# Altium PCB Smart_Robotic_Arm_ControllerBoard.PcbDoc
Units mil, origin at the board's own origin, x right, y up, seen from the top; angles counter-clockwise.
Board outline 3937.01 x 2370 mil, 2 copper layers (Top Layer, Bottom Layer); 94 components, 121 nets, 402 pads, 152 vias.
Unrouted connection lines stored in the file: 9.
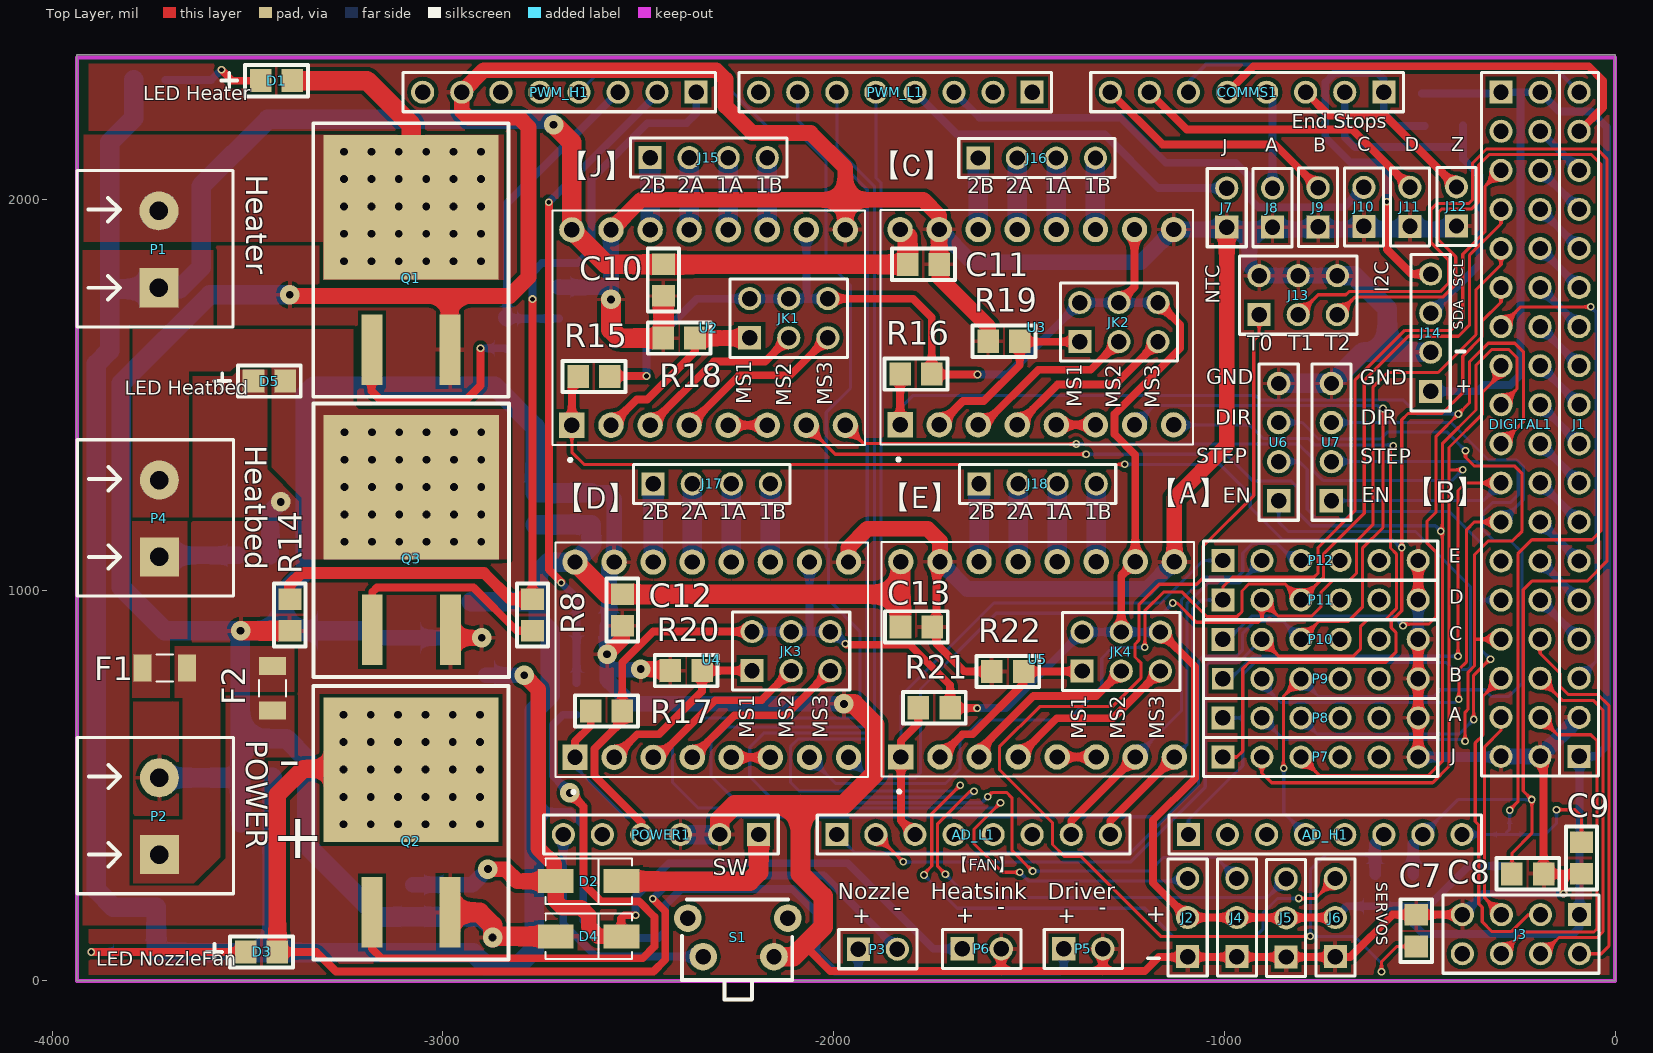
[diagram p0: Top Layer view]
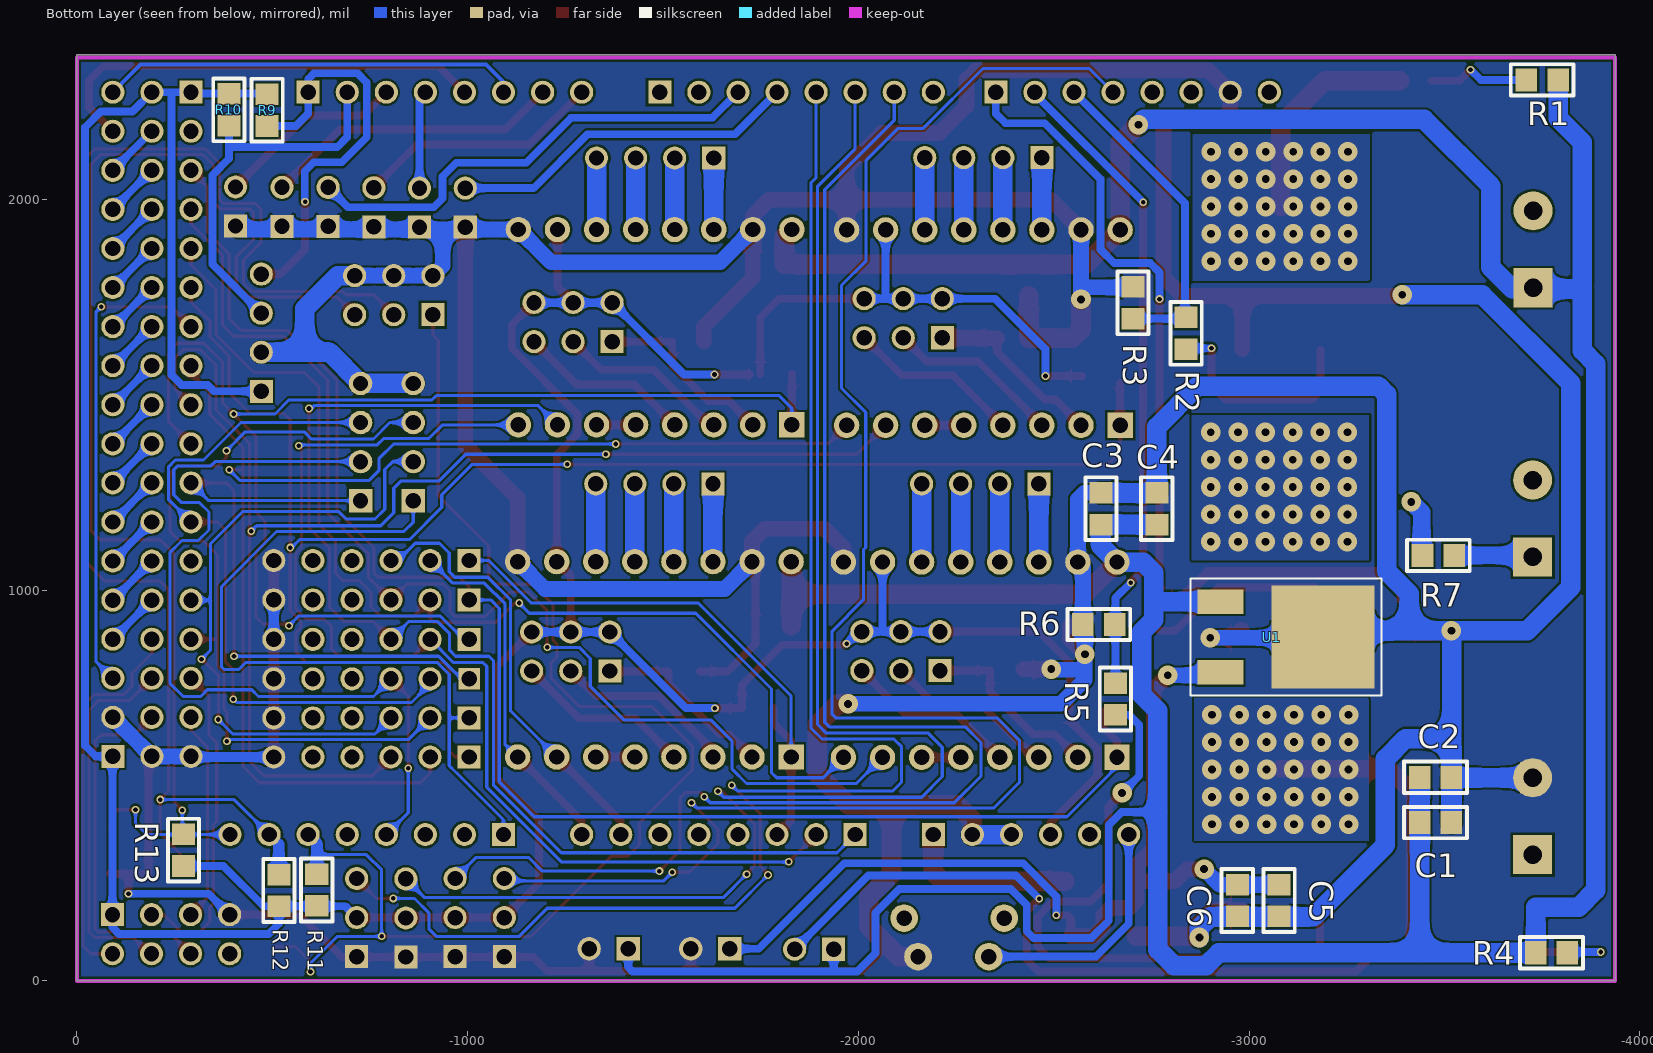
[diagram p1: Bottom Layer view, seen from below]
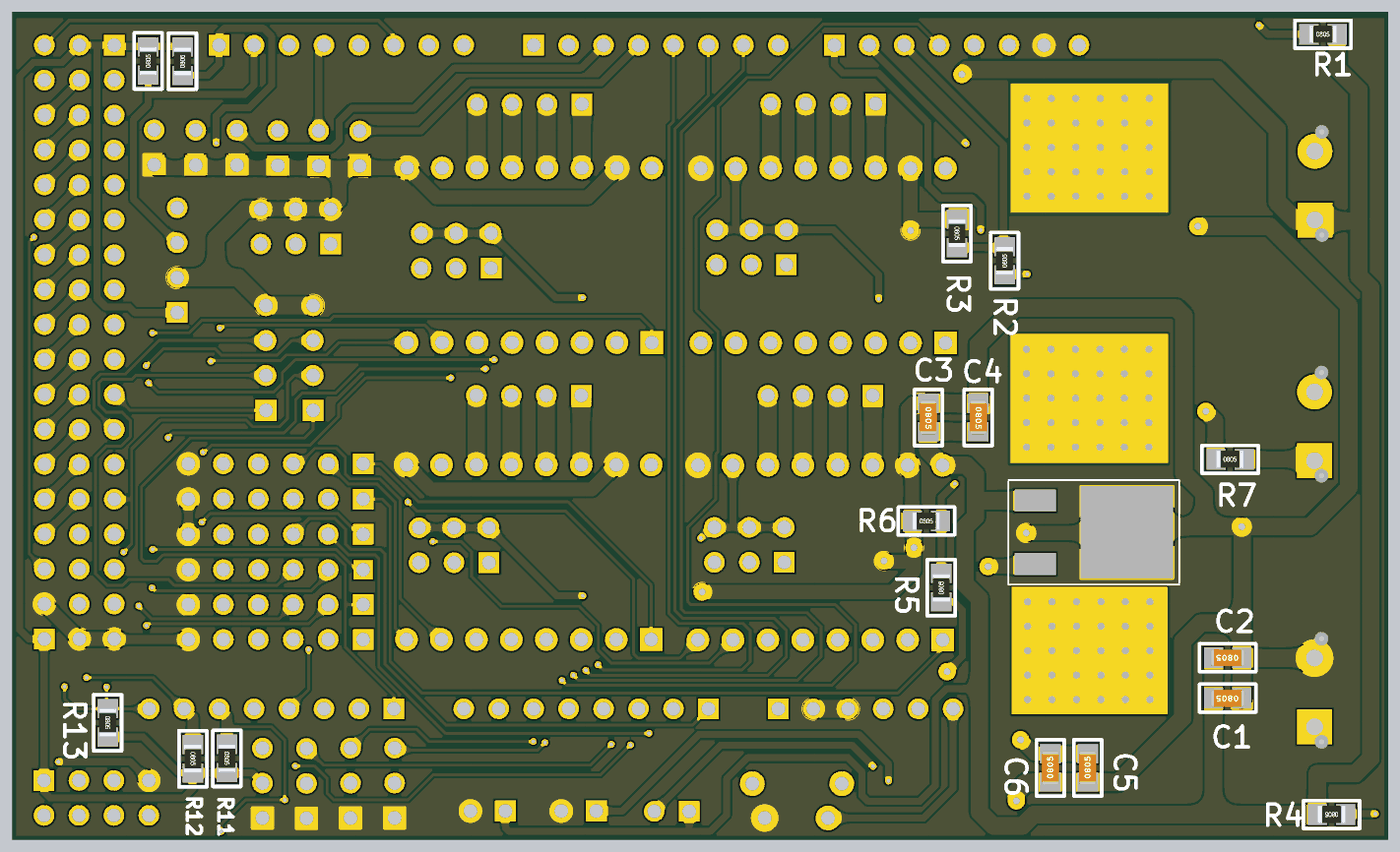
[diagram p2: 3D render of the assembled board from below, using the file's embedded part models]

## Layer stack, top to bottom
Top Solder: solder mask 0.4, Solder Resist, Dk 3.5
Top Layer: signal copper 1.4
Dielectric 1: dielectric 12.6, FR-4, Dk 4.8
Bottom Layer: signal copper 1.4
Bottom Solder: solder mask 0.4, Solder Resist, Dk 3.5

## Board outline
-3937.01,0 -3937.01,2370 0,2370 0,0

## Design rules (kind name [scope] priority, off if disabled: settings)
Clearance Clearance_2 [InNamedPolygon('Top Layer-GND1')] p1: gap=10 ignorepadtopadclearanceinfootprint=FALSE except(0: Arc-Hole Track-Hole SMDPad-Hole THPad-Hole Via-Hole Fill-Hole Poly-Hole Region-Hole Text-Hole)
Clearance Clearance_1 [InNamedPolygon('Top Layer-GND1')] p2: gap=7 ignorepadtopadclearanceinfootprint=FALSE
Clearance [All] p3: gap=6 ignorepadtopadclearanceinfootprint=FALSE
ComponentClearance [All] p1: gap=0 collisioncheckmode=3 verticalgap=0 showdistances=FALSE
HoleSize [All] p1: absolutevalues=TRUE maxlimit=196.85 minlimit=11.81 maxpercent=80.000 minpercent=20.000
MinimumSolderMaskSliver [All] p1: minsoldermaskwidth=0
PlaneClearance [All] p1: clearance=5
PlaneConnect [All] p1: planeconnectstyle=Relief reliefexpansion=20 reliefentries=4 reliefconductorwidth=10 reliefairgap=6
PolygonConnect PolygonConnect_2 [All vs IsNamedPolygon('Top Layer-GND1')] p1: connectstyle=Relief reliefconductorwidth=10 reliefentries=4 polygonreliefangle="90 Angle" airgapwidth=10
PolygonConnect PolygonConnect_1 [All vs IsNamedPolygon('Top Layer-GND1')] p2: thpad.connectstyle=Relief thpad.reliefconductorwidth=10 thpad.reliefentries=4 thpad.polygonreliefangle="90 Angle" thpad.airgapwidth=7 smdpad.connectstyle=Relief smdpad.reliefconductorwidth=10 smdpad.reliefentries=4 smdpad.polygonreliefangle="90 Angle" smdpad.airgapwidth=7 via.connectstyle=Relief via.reliefconductorwidth=10 via.reliefentries=4 via.polygonreliefangle="90 Angle" via.airgapwidth=10
PolygonConnect [All] p3: connectstyle=Direct reliefconductorwidth=10 reliefentries=4 polygonreliefangle="90 Angle" airgapwidth=5
RoutingVias [All] p1: holewidth=31.5 width=15.75 viastyle="Through Hole" minholewidth=23.62 minwidth=11.81 maxholewidth=196.85 maxwidth=118.11
SilkToSilkClearance [All] p1: silktosilkclearance=0
SilkToSolderMaskClearance [IsPad] p1: minsilkscreentomaskgap=0 clearancetoexposedcopper=TRUE
SolderMaskExpansion [All] p1: expansion=4
Width signal [InNetClass('signal')] p1: maxlimit=50 minlimit=6 preferedwidth=10
Width power [InNetClass('power')] p2: maxlimit=50 minlimit=10 preferedwidth=50
23 further rules are at their usual default settings.

## Components (designator, comment, footprint, x,y, rotation, side; value= is the part's Value field where it differs from the comment)
AD_H1 "AD_H" HDR1X8 -1092,374.5 r0 top locked
AD_L1 "AD_L" HDR1X8 -1992,374.5 r0 top locked
C1 "0.1uF" "SMD 0805 - CAP" -3518,405 r0 bottom
C2 "100uF" "SMD 0805 - CAP" -3518,521 r0 bottom
C3 "0.1uF" "SMD 0805 - CAP" -2621,1249 r270 bottom
C4 "10uF" "SMD 0805 - CAP" -2764,1249 r270 bottom
C5 "10uF" "SMD 0805 - CAP" -3077,165 r90 bottom
C6 "0.1uF" "SMD 0805 - CAP" -2970,165 r90 bottom
C7 "10uF" "SMD 0805 - CAP" -509,169 r270 top
C8 "10uF" "SMD 0805 - CAP" -183,274 r180 top
C9 "10uF" "SMD 0805 - CAP" -86,274 r90 top
C10 "35uF" "SMD 0805 - CAP" -2436,1753 r90 top
C11 "35uF" "SMD 0805 - CAP" -1730,1834 r180 top
C12 "35uF" "SMD 0805 - CAP" -2541,909 r90 top
C13 "35uF" "SMD 0805 - CAP" -1748,906 r180 top
COMMS1 "Communication" HDR1X8 -592,2274.5 r180 top locked
D1 "LED" "SMD 0805 - LED" -3467,2304 r0 top
D2 "1N4004" DO-214AC -2627,255 r0 top
D3 "LED" "SMD 0805 - LED" -3505,74 r0 top
D4 "1N4004" DO-214AC -2627,114 r0 top
D5 "LED" "SMD 0805 - LED" -3485,1535 r0 top
DIGITAL1 "IO_36" HDR2X18 -292,2274.5 r270 top locked
F1 "Fuse [35V 30A]" "SMD 1206" -3712,800 r180 top
F2 "Fuse [30V 5A]" "SMD 1206" -3435,749 r270 top
J1 "AUX-4" HDR1X18 -92,574.5 r90 top locked
J2 "SER1" HDR1X3 -1094,62 r90 top
J3 "AUX-3" HDR2X4 -91,169.5 r180 top locked
J4 "SER2" HDR1X3 -968,62 r90 top
J5 "SER3" HDR1X3 -842,61 r90 top
J6 "SER4" HDR1X3 -716,62 r90 top
J7 "J" HDR1X2#1 -994,1929 r90 top
J8 "A" HDR1X2#1 -877,1929 r90 top
J9 "B" HDR1X2#1 -760,1930 r90 top
J10 "C" HDR1X2#1 -643,1931 r90 top
J11 "D" HDR1X2#1 -525,1931 r90 top
J12 "Z" HDR1X2#1 -406,1932 r90 top
J13 "6P" HDR2X3 -911,1705 r0 top
J14 "I2C" HDR1X4#1 -472,1509 r90 top
J15 "J-MOT" HDR1X4#1 -2470,2107 r0 top
J16 "C-MOT" HDR1X4#1 -1630,2106 r0 top
J17 "D-MOT" HDR1X4#1 -2462,1272 r0 top
J18 "E-MOT" HDR1X4#1 -1628,1272 r0 top
JK1 "JP6" HDR2X3 -2215,1646 r0 top
JK2 "JP6" HDR2X3 -1370,1636 r0 top
JK3 "JP6" HDR2X3 -2209,794 r0 top
JK4 "JP6" HDR2X3 -1364,793 r0 top
P1 "Heater" "HDR1X2 - 5mm" -3727,1774 r90 top
P2 "Power" "HDR1X2 - 5mm" -3726,323 r90 top
P3 "Nozzle_Fan" HDR1X2#1 -1937,81 r0 top
P4 "HeatBed" "HDR1X2 - 5mm" -3726,1085 r90 top
P5 "Driver_Fan" HDR1X2#2 -1411,82 r0 top
P6 "NozzleHeatsink_Fan" HDR1X2#2 -1671,82 r0 top
P7 "J_AXIS" HDR1X6#1 -1004,573 r0 top
P8 "A_AXIS" HDR1X6#1 -1004,673 r0 top
P9 "B_AXIS" HDR1X6#2 -1004,773 r0 top
P10 "C_AXIS" HDR1X6#1 -1004,874 r0 top
P11 "D_AXIS" HDR1X6#1 -1004,975 r0 top
P12 "E_AXIS" HDR1X6#1 -1004,1076 r0 top
POWER1 "POWER" HDR1X6#1 -2192,374.5 r180 top locked
PWM_H1 "PWM_H" HDR1X8 -2352,2274.5 r180 top locked
PWM_L1 "PWM_L" HDR1X8 -1492,2274.5 r180 top locked
Q1 "MCB150N06YB" TO-263-2 -3082,1795 r0 top
Q2 "MCB150N06YB" TO-263-2 -3082,355 r0 top
Q3 "MCB150N06YB" TO-263-2 -3081,1078 r0 top
R1 "R1" "SMD 0805 - RES" -3710,2306 r180 bottom value=1.8K
R2 "R1" "SMD 0805 - RES" -2839,1617 r90 bottom value=10
R3 "R1" "SMD 0805 - RES" -2703,1776 r270 bottom value=100K
R4 "R1" "SMD 0805 - RES" -3815,72 r0 bottom value=1.8K
R5 "R1" "SMD 0805 - RES" -2658,681 r90 bottom value=10
R6 "R1" "SMD 0805 - RES" -2575,912 r180 bottom value=100K
R7 "R1" "SMD 0805 - RES" -3444,1089 r180 bottom value=1.8K
R8 "R1" "SMD 0805 - RES" -2771,896 r90 top value=10
R9 "R1" "SMD 0805 - RES" -487,2188 r90 bottom value=4.7K
R10 "R1" "SMD 0805 - RES" -389,2189 r90 bottom value=4.7K
R11 "R1" "SMD 0805 - RES" -614,273 r270 bottom value=4.7K
R12 "R1" "SMD 0805 - RES" -517,272 r270 bottom value=4.7K
R13 "R1" "SMD 0805 - RES" -273,375 r270 bottom value=4.7K
R14 "R1" "SMD 0805 - RES" -3392,896 r90 top value=100K
R15 "R1" "SMD 0805 - RES" -2654,1547 r0 top value=10K
R16 "R1" "SMD 0805 - RES" -1830,1553 r0 top value=10K
R17 "R1" "SMD 0805 - RES" -2622,691 r0 top value=10K
R18 "R1" "SMD 0805 - RES" -2355,1645 r180 top value=100K
R19 "R1" "SMD 0805 - RES" -1524,1637 r180 top value=100K
R20 "R1" "SMD 0805 - RES" -2337,794 r180 top value=100K
R21 "R1" "SMD 0805 - RES" -1783,699 r0 top value=10K
R22 "R1" "SMD 0805 - RES" -1514,792 r180 top value=100K
S1 "SW" SW2 -2334,62 r90 top
U1 "MCB150N06YB" TO-252-3 -3189,880 r270 bottom
U2 "" "Stepper driver Broad" -2320,1672 r90 top
U3 "" "Stepper driver Broad" -1480,1673 r90 top
U4 "" "Stepper driver Broad" -2312,822 r90 top
U5 "" "Stepper driver Broad" -1478,823 r90 top
U6 "A-DRIVER" HDR1X4#2 -861,1229 r90 top
U7 "B-DRIVER" HDR1X4#2 -726,1229 r90 top

## Footprints (in the part's own frame and the unit in brackets; to place one, negate y for a bottom-side part, rotate by r counter-clockwise, add the part's x,y. Pads: shape width x height; smd on the part's side, far side on the other; paste and mask are expansions set on the pad)
DO-214AC [mm]
  rect 2.33x1.56 smd: 1(-2.14,0) 2(2.14,0)
  silkscreen extent -2.8,-1.48 2.8,1.48
HDR1X2#1 [mm] "Connector; Header; 2 Position"
  rect 1.5x1.5 hole 1: 1(0,0)
  round 1.5 hole 1: 2(2.54,0)
  silkscreen extent -1.27,-1.27 3.81,1.27
HDR1X2#2 [mm] "Connector; Header; 2 Position"
  rect 1.524x1.524 hole 1: 1(0,0)
  round 1.524 hole 1: 2(2.54,0)
  silkscreen extent -1.27,-1.27 3.81,1.27
"HDR1X2 - 5mm" [mm] "Connector; Header; 2 Position"
  rect 2.54x2.54 hole 1.2: 1(0,0)
  round 2.54 hole 1.2: 2(5,0)
  silkscreen extent -2.54,-4.83 7.62,5.33, body extent -4.84,-3.99 10.16,5.01, height 13.81
HDR1X3 [mm] "Connector; Header; 3 Position"
  rect 1.5x1.5 hole 1: 1(0,0)
  round 1.5 hole 1: 2(2.54,0) 3(5.08,0)
  silkscreen extent -1.27,-1.27 6.35,1.27
HDR1X4#1 [mm] "Connector; Header; 4 Position"
  rect 1.5x1.5 hole 1: 1(0,0)
  round 1.5 hole 1: 2(2.54,0) 3(5.08,0) 4(7.62,0)
  silkscreen extent -1.27,-1.27 8.89,1.27
HDR1X4#2 [mm] "Connector; Header; 4 Position"
  rect 1.524x1.524 hole 1: 1(0,0)
  round 1.524 hole 1: 2(2.54,0) 3(5.08,0) 4(7.62,0)
  silkscreen extent -1.27,-1.27 8.89,1.27
HDR1X6#1 [mm] "Connector; Header; 6 Position"
  rect 1.5x1.5 hole 1: 1(0,0)
  round 1.5 hole 1: 2(2.54,0) 3(5.08,0) 4(7.62,0) 5(10.16,0) 6(12.7,0)
  silkscreen extent -1.27,-1.27 13.97,1.27
HDR1X6#2 [mm] "Connector; Header; 6 Position"
  rect 1.397x1.397 hole 1: 1(0,0)
  round 1.5 hole 1: 2(2.54,0) 3(5.08,0) 4(7.62,0) 5(10.16,0) 6(12.7,0)
  silkscreen extent -1.27,-1.27 13.97,1.27
HDR1X8 [mm] "Connector; Header; 8 Position"
  rect 1.5x1.5 hole 1: 1(0,0)
  round 1.5 hole 1: 2(2.54,0) 3(5.08,0) 4(7.62,0) 5(10.16,0) 6(12.7,0) 7(15.24,0) 8(17.78,0)
  silkscreen extent -1.27,-1.27 19.05,1.27
HDR1X18 [mm] "Connector; Header; 18 Position"
  rect 1.5x1.5 hole 1: 1(0,0)
  round 1.5 hole 1: 2(2.54,0) 3(5.08,0) 4(7.62,0) 5(10.16,0) 6(12.7,0) 7(15.24,0) 8(17.78,0) 9(20.32,0) 10(22.86,0) 11(25.4,0) 12(27.94,0) 13(30.48,0) 14(33.02,0) 15(35.56,0) 16(38.1,0) 17(40.64,0) 18(43.18,0)
  silkscreen extent -1.27,-1.27 44.45,1.27
HDR2X3 [mm] "Connector; Header; 3x2 Position"
  rect 1.5x1.5 hole 1: 1(0,0)
  round 1.5 hole 1: 2(0,2.54) 3(2.54,0) 4(2.54,2.54) 5(5.08,0) 6(5.08,2.54)
  silkscreen extent -1.27,-1.27 6.35,3.81
HDR2X4 [mm] "Connector; Header; 4x2 Position"
  rect 1.5x1.5 hole 1: 1(0,0)
  round 1.5 hole 1: 2(0,2.54) 3(2.54,0) 4(2.54,2.54) 5(5.08,0) 6(5.08,2.54) 7(7.62,0) 8(7.62,2.54)
  silkscreen extent -1.27,-1.27 8.89,3.81
HDR2X18 [mm] "Connector; Header; 18x2 Position"
  rect 1.5x1.5 hole 1: 1(0,0)
  round 1.5 hole 1: 2(0,2.54) 3(2.54,0) 4(2.54,2.54) 5(5.08,0) 6(5.08,2.54) 7(7.62,0) 8(7.62,2.54) 9(10.16,0) 10(10.16,2.54) 11(12.7,0) 12(12.7,2.54) 13(15.24,0) 14(15.24,2.54) 15(17.78,0) 16(17.78,2.54) 17(20.32,0) 18(20.32,2.54) 19(22.86,0) 20(22.86,2.54) 21(25.4,0) 22(25.4,2.54) 23(27.94,0) 24(27.94,2.54) 25(30.48,0) 26(30.48,2.54) 27(33.02,0) 28(33.02,2.54) 29(35.56,0) 30(35.56,2.54) 31(38.1,0) 32(38.1,2.54) 33(40.64,0) 34(40.64,2.54) 35(43.18,0) 36(43.18,2.54)
  silkscreen extent -1.27,-1.27 44.45,3.81
"SMD 0805 - CAP" [mm]
  rect 1.4x1.5 smd: 1(0,0) 2(2.057,0)
  silkscreen extent -1.02,-1.02 3.07,1.02, body extent -0.24,-0.62 2.27,0.62, height 0.79
"SMD 0805 - LED" [mm]
  rect 1.4x1.5 smd: 1(0,0) 2(2.057,0)
  silkscreen extent -2.54,-1.02 3.07,1.02, body extent 0.02,-0.51 2.08,0.4, height 0.85
"SMD 0805 - RES" [mm]
  rect 1.4x1.5 smd: 1(0,0) 2(2.057,0)
  silkscreen extent -1.02,-1.02 3.07,1.02, body extent 0.02,-0.62 2.02,0.63, height 0.37
"SMD 1206" [mm]
  rect 1.18x1.77 smd: 1(-1.442,-0.025) 2(1.448,-0.025)
  silkscreen extent -0.53,-0.91 0.53,0.85
"Stepper driver Broad" [mm]
  rect 1.65x1.65 hole 1: 1(-6.35,8.89)
  round 1.65 hole 1: 2(-6.35,6.35) 3(-6.35,3.81) 4(-6.35,1.27) 5(-6.35,-1.27) 6(-6.35,-3.81) 7(-6.35,-6.35) 8(-6.35,-8.89) 9(6.35,-8.89) 10(6.35,-6.35) 11(6.35,-3.81) 12(6.35,-1.27) 13(6.35,1.27) 14(6.35,3.81) 15(6.35,6.35) 16(6.35,8.89)
  silkscreen extent -8.7,-10.16 7.62,10.16
SW2 [mm]
  round 1.8 hole 1: 1(0,0) 2(0,-4.6) 3(2.5,1) 3(2.5,-5.5)
  silkscreen extent -2.79,-5.79 3.71,1.37
TO-252-3 [mm]
  rect 1.6x3 smd: 1(-2.3,-6.65) 3(2.3,-6.65)
  rect 6.7x6.7 smd: 2(0,0)
  silkscreen extent -3.8,-8.6 3.8,3.8
TO-263-2 [mm]
  rect 1.35x4.6 smd: 1(-2.54,-4.561) 2(2.54,-4.561)
  rect 11.4x9.4 smd: 3(0,4.699)
  silkscreen extent -6.35,-7.62 6.35,10.16

## Part data
C1 C2 C3 C4 C5 C6 C7 C8 C9 C10 C11 C12 C13: library part "C1 陶瓷"
D2 D4: library part Diode, "Default Diode", Code_JEDEC=DO-214-AB, LatestRevisionDate=17-Jul-2002, LatestRevisionNote="Re-released for DXP Platform.", PackageDescription="DO-214-AB/SMC; 2 C-Bend Leads; Body 7.9 x 5.9 mm, inc. leads (LxW)", PackageReference=SMC, PackageVersion=Sep-1996, Published=8-Jun-2000, Publisher="Altium Limited"
F1: library part SF-1206HV30M-2
F2: library part SF-1206HI500M-2
J1: library part SIP18
J2 J4 J5 J6: library part SIP3
J3: library part SIP8
J7 J8 J9 J10 J11 J12: library part SIP2
J13: library part SIP6
J14 J15 J16 J17 J18: library part SIP4
P1 P2 P3 P4 P5 P6: library part "Header 2", "Header, 2-Pin", LatestRevisionDate=17-Jul-2002, LatestRevisionNote="Re-released for DXP Platform.", Publisher="Altium Limited"
P7 P8 P9 P10 P11 P12: library part "Header 6", "Header, 6-Pin", LatestRevisionDate=17-Jul-2002, LatestRevisionNote="Re-released for DXP Platform.", Publisher="Altium Limited"
Q1 Q2 Q3: library part MCB150N06YB-TP
R1 R2 R3 R4 R5 R6 R7 R8 R9 R10 R11 R12 R13 R14 R15 R16 R17 R18 R19 R20 R21 R22: "Resistor", LatestRevisionDate=17-Jul-2002, LatestRevisionNote="Re-released for DXP Platform.", PackageDescription="Axial Device, Thru-Hole; 2 Leads; 0.3 in Pin Spacing", PackageReference=AXIAL-0.3, Published=8-Jun-2000, Publisher="Altium Limited"
U1: library part BAJ2CC0FP-E2, "4-25V/12V"
U2 U3 U4 U5: library part A4988
U6 U7: library part "Header 4", "Header, 4-Pin", LatestRevisionDate=17-Jul-2002, LatestRevisionNote="Re-released for DXP Platform.", Publisher="Altium Limited"

## Via types
v1: diameter 50, hole 20, Top Layer to Bottom Layer, 103 vias
v2: diameter 19.68, hole 11.81, Top Layer to Bottom Layer, 49 vias

## Nets (pads, with @x,y where several pads share a name; then routed paths per layer and width w, separated by ;. In a path a pad name is that pad's centre, name@x,y a point inside that pad or via, vN(x,y) a via of type N, cw(c..) or ccw(c..) an arc to the next point about the centre after c; other vN are vias at no path point)
3V3: POWER1.5
5V: DIGITAL1.1 DIGITAL1.2 J1.1 J2.2 J3.1 J4.2 J5.2 J6.2 J14.1 JK1.2 JK1.4 JK1.6 JK2.2 JK2.4 JK2.6 JK3.2 JK3.4 JK3.6 JK4.2 JK4.4 JK4.6 POWER1.4 R9.2 R10.2 R11.2 R12.2 R13.2 R15.2 R16.2 R17.2 R21.2 U2.10 U3.10 U4.10 U5.10 | length 11161.5
  Top Layer w20: R15.2 -2572,1548 v2(-2479,1548) ; R17.2@-2541,665 -2612,594 -2612,525 -2492,405 POWER1.4 ; R17.2 -2541,815 -2462,894 JK3.2 ; JK1.6 -1797,1746 -1749,1698 R16.2 ; v2(-1970,863) -1967.47,860.47 -1805.47,860.47 -1702,757 R21.2 -1701,698 v2(-1633,698) ; R16.2@-1723,1552 v2(-1632,1552) ; JK2.4 -1230,1776 U3.10 ; JK4.4 -1264,1037 U5.10 -1228,1346 -1281,1399 -1281,1451 -1113,1619 -1113,1679 JK2.6 ; JK4.6 -1075,804 -1075,519 -1183,411 -1183,251 J2.2 J4.2 J6.2
  Bottom Layer w20: v2(-2479,1548) -2479,1617 -2350,1746 JK1.2 JK1.4 JK1.6 ; JK3.2 JK3.4 JK3.6 -2001,894 v2(-1970,863) ; -2070,1751 U2.10 ; -2062,899 U4.10 ; v2(-1633,698) -1559,698 JK4.2 JK4.4 JK4.6 ; v2(-1632,1552) -1554,1552 JK2.2 JK2.4 JK2.6 ; J6.2 -687,191 R12.2 ; R9.2@-495,2271 -295.5,2271 DIGITAL1.1 -242,2274.5 ; J14.1 -351,1509 -335,1525 -268,1525 -242,1551 -242,2274.5 ; R13.2 -375,294 -478,191 R12.2 ; R12.2 -517,146 -491,120 -108,120 -91,137 J3.1 -91,573.5 J1.1 -48.5,574.5 -21,602 -21,2185 -61,2225 -142.5,2225 DIGITAL1.2 -242,2274.5
+12V: C5.2 C6.2 D2.1 D4.2 P6.1 U1.3 | length 2421.1
  Top Layer w20: D4.2@-2544,114 -2544,160 -2536,168 v2(-2507,168)
  Top Layer w40: v1(-2885,286) -2841,286 -2810,255 D2.1@-2715.25,255 ; v1(-2792,782) -2756,746 -2756,339 -2715.25,298.25 D2.1@-2715.25,255 ; D4.2@-2544,114 -2602,114 -2626.5,138.5 -2626.5,167.5 -2646,187 -2694,187 -2711.25,204.25 D2.1 D2.1@-2715.25,255
  Bottom Layer w20: v2(-2507,168) -2507,216 -2422,301 -1964,301 -1745,82 P6.1
  Bottom Layer w40: C5.2 C6.2 -2925,246 v1(-2885,286) ; U1.3@-2890.55,782 v1(-2792,782)
+24V: C1.2 C2.2 C3.2 C4.2 C10.2 C11.2 C12.2 C13.2 F2.2 P1.1 P3.1 P5.1 R1.2 R4.2 U1.1 U2.16 U3.16 U4.16 U5.16 | length 11084.4
  Top Layer w50: v1@-2709,2185 -2670,2146 U2.16 -2582,1834 C10.2 C11.2 -1811,1904 U3.16 ; U4.16 -2579,989 -1828,989 ; C13.2@-1828,909 -1828,989 ; U5.16 -1828,989
  Bottom Layer w20: -2767,432 -2674,432 -2641,399 -2641,154 -2597,110 -2448,110 -2431,127 -2431,194 -2390,235 -2105,235 -2044,174 -2044,71 -1997,24 -1422,24 -1411,35 P5.1 ; -1937,26 P3.1
  Bottom Layer w50: -3853,1781 -3853,2146 -3791,2208 R1.2 ; C2.2 C1.2 -3437,72 ; U1.1 -2763.45,970.55 ; C4.2 -2620,1168 -2620,1114 U4.16 -2729,1072 -2756,1045 -2756,924 -2726,894 -2726,732 -2767,691 -2767,432 -2767,80 -2808,39 -2890,39 -2923,72 -3437,72 ; v1(-2717,2191) -2731,2205 -3448,2205 -3619,2034 -3619,1826 -3674,1771 -3853,1771 -3853,1613 -3887,1579 -3887,232 -3844,189 -3734,189 R4.2 -3437,72
+24V2: F1.2 P4.1 R7.2 | length 201